# Altium PCB RTM_SFP.PcbDoc (part 7 of 7)
Units mm, origin at the board's own origin, x right, y up, seen from the top; angles counter-clockwise.
Board outline 182.5 x 148.5 mm, 4 copper layers (Top Layer, MidPlane_1, MidPlane_2, Bottom Layer), stack 0.883 mm thick; 377 components, 317 nets, 1528 pads, 1541 vias.
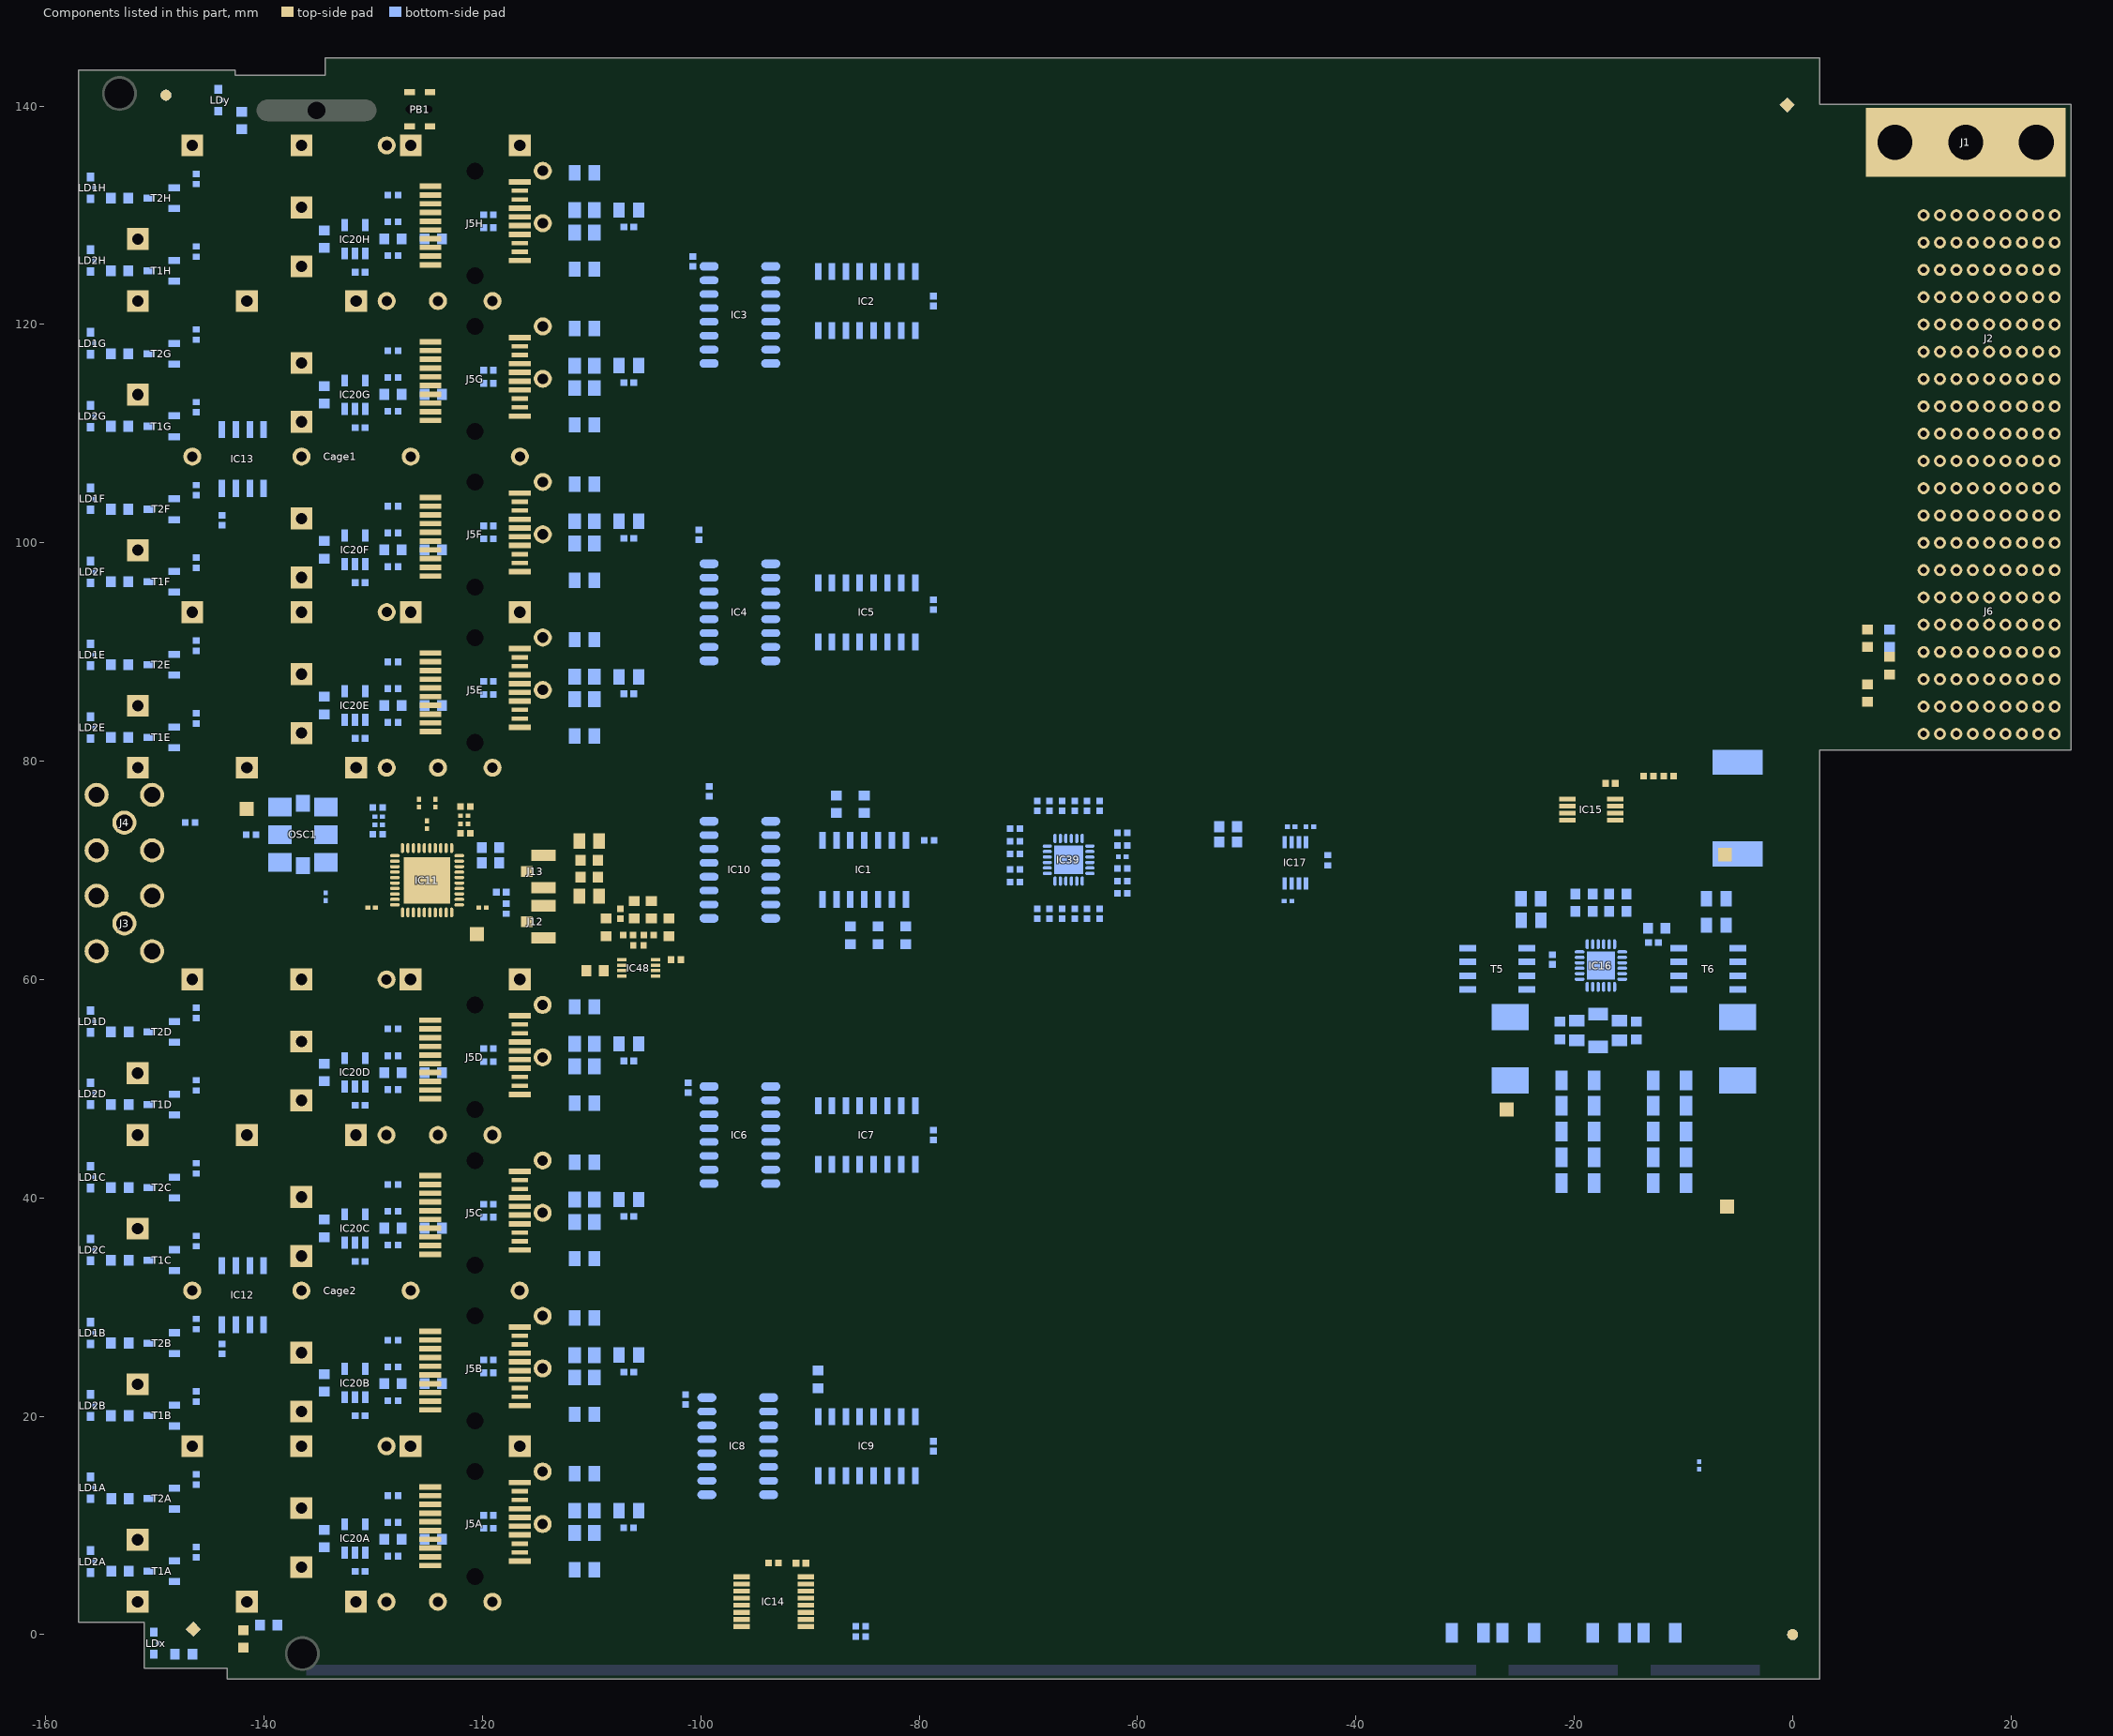
[diagram p9: the components of this part, seen from the top]

## Silkscreen, mask and mechanical layers (free items; w line width, h text height)
Top Overlay:
  drawing of 3981 lines, arcs and shapes, not listed
  text "3V3C" at -145.9,75.2 h1.52
  text "CLK OUT P" at -115.98,73.96 h1
  text "12V" at -9.694,71 h1.52
  text "2V5C" at -124.8,63.7 h1.52
  text "CLK OUT N" at -119.33,61.42 h1
  text "FR4 - TG150 - ENIG" at 1.525,60.175 h1 r90
  text "2V5" at -24.7,47.652 h1.52
  text "ID CODE" at -18.255,42.925 h3 r270
  text "http://ohwr.org/cernohl" at -31.26,42.78 h1.52 r90
  text "3V3" at -4.5,38.8 h1.52
  text "v1.2" at -23.45,24.97 h1.52 r90
  text "RTM SFP 8" at -25.95,19.853 h1.52 r90
  text "sirius" at -11.305,10.93 h2.2 r90
  text "http://www.ohwr.org/projects/utca-rtm-8-sfp" at -35.04,6.53 h1.52 r90
  text "Licensed under CERN OHL" at -31.07,5.99 h1.52 r90
  text "Laboratorio Nacional" at -10.254,5.627 h1 r90
  text "de Luz Sincrotron" at -9.604,5.627 h1 r90
  text "Beam Diagnostics Group" at -6.05,1 h2 r90
Top Paste:
  region: -126.749,71.25 -126.751,70.84 -127.25,70.84 -127.25,70.475 -126.751,70.475 -126.751,69.84 -127.25,69.84 -127.25,69.55 -126.75,69.55 -126.748,68.9 -127.25,68.9 -127.25,68.525 -126.75,68.525 -126.75,67.85 -127.25,67.85 -127.25,67.375 -126.75,67.375 -126.75,66.925 -126.3,66.925 -126.3,71.25
  region: -123.7,71.25 -123.275,71.25 -123.275,66.925 -123.7,66.925
  region: -122.924,67.375 -123.3,67.375 -123.3,67.85 -122.924,67.85
  region: -122.924,68.525 -123.3,68.525 -123.3,68.9 -122.925,68.9
  region: -122.924,69.55 -122.924,69.875 -123.3,69.875 -123.3,69.55
  region: -122.924,70.475 -123.3,70.475 -123.3,70.825 -122.924,70.825
  region: -125.725,71.25 -125.725,70.475 -125.3,70.475 -125.3,71.25
  region: -124.7,71.25 -124.3,71.25 -124.3,66.925 -124.7,66.925
  region: -125.725,71.25 -125.3,71.25 -125.3,66.925 -125.725,66.925
  region: -124.7,67.9 -124.3,67.9 -124.3,66.925 -124.7,66.925
Bottom Paste:
  region: -67.1,71.788 -67.1,70.16 -65.5,70.16 -65.5,71.788
Top Solder:
  region: -137.072,84.825 -137.074,84.415 -137.525,84.415 -137.525,84 -137.075,84 -137.075,83.495 -137.525,83.495 -137.525,83.05 -137.074,83.05 -137.073,82.55 -137.525,82.55 -137.525,82.025 -137.075,82.025 -137.075,81.5 -137.525,81.5 -137.525,80.9 -137.1,80.9 -137.1,80.5 -136.525,80.5 -136.525,84.825
Outline:
  the board outline again, w0.127
Dimensions:
  drawing of 2814 lines, arcs and shapes, not listed
Mechanical 3:
  circle w0.127: c-126.012,140.691 r0.254
  lines w0.25: -154.256,-21.818 -8.574,-21.818 ; -154.256,-16.853 -8.574,-16.853 ; -155.78,-54.07 ccw(c-154.18,-54.07) -154.18,-55.67 -8.65,-55.67 ccw(c-8.65,-54.07) -7.05,-54.07 -7.05,-12.3 ccw(c-8.65,-12.3) -8.65,-10.7 -154.18,-10.7 ccw(c-154.18,-12.3) -155.78,-12.3 -155.78,-54.07
  text "Layer Stack Up Detail for: RTM_SFP.PcbDoc" at -154.256,-15.531 h2.35
  text "Layer" at -154.256,-18.703 h1.15
  text "Gerber" at -123.084,-18.703 h1.15
  text "Copper" at -107.241,-18.703 h1.15
  text "Dielectric" at -89.52,-18.703 h1.15
  text "Dielectric" at -70.995,-18.703 h1.15
  text "Dielectric" at -47.821,-18.703 h1.15
  text "Dielectric" at -29.295,-18.703 h1.15
  text "Name" at -154.256,-21.003 h1.15
  text "Document" at -123.084,-21.003 h1.15
  text "Thickness" at -107.241,-21.003 h1.15
  text "Height" at -89.52,-21.003 h1.15
  text "Material" at -70.995,-21.003 h1.15
  text "Constant" at -47.821,-21.003 h1.15
  text "Type" at -29.295,-21.003 h1.15
  text "Top Solder Mask" at -154.256,-24.33 h1.6
  text "(.GTS)" at -123.084,-24.33 h1.6
  text "0.0102mm" at -89.52,-24.33 h1.6
  text "Solder Resist" at -70.995,-24.33 h1.6
  text "3.50" at -47.821,-24.33 h1.6
  text "Top Layer" at -154.256,-29.104 h1.6
  text "(.GTL)" at -123.084,-29.104 h1.6
  text "0.0356mm" at -107.241,-29.104 h1.6
  text "0.381mm" at -89.52,-31.492 h1.6
  text "FR-4" at -70.995,-31.492 h1.6
  text "4.80" at -47.821,-31.492 h1.6
  text "PrePreg" at -29.295,-31.492 h1.6
  text "PWR" at -154.256,-33.879 h1.6
  text "(.GP1)" at -123.084,-33.879 h1.6
  text "0.0356mm" at -107.241,-33.879 h1.6
  text "0.71mm" at -89.52,-36.266 h1.6
  text "FR-4" at -70.995,-36.266 h1.6
  text "4.80" at -47.821,-36.266 h1.6
  text "Core" at -29.295,-36.266 h1.6
  text "GND" at -154.256,-38.654 h1.6
  text "(.GP2)" at -123.084,-38.654 h1.6
  text "0.0356mm" at -107.241,-38.654 h1.6
  text "0.381mm" at -89.52,-41.041 h1.6
  text "FR-4" at -70.995,-41.041 h1.6
  text "4.80" at -47.821,-41.041 h1.6
  text "PrePreg" at -29.295,-41.041 h1.6
  text "Bottom Layer" at -154.256,-43.428 h1.6
  text "(.GBL)" at -123.084,-43.428 h1.6
  text "0.0356mm" at -107.241,-43.428 h1.6
  text "Bottom Solder Mask" at -154.256,-48.203 h1.6
  text "(.GBS)" at -123.084,-48.203 h1.6
  text "0.0102mm" at -89.52,-48.203 h1.6
  text "Solder Resist" at -70.995,-48.203 h1.6
  text "3.50" at -47.821,-48.203 h1.6

## Text inside footprints (layer, text, board x,y; h text height)
Cage1: Drill Drawing "PRESS-FIT TECHNOLOGY" at -138.934,87 h1 r90; Drill Drawing "26x diam. 1.05mm +/-0.05" at -143.359,84.2 h1 r90; Drill Drawing "20x diam. 0.95mm +/-0.05" at -141.279,84.3 h1 r90
Cage2: Drill Drawing "PRESS-FIT TECHNOLOGY" at -138.944,10.606 h1 r90; Drill Drawing "26x diam. 1.05mm +/-0.05" at -143.369,7.806 h1 r90; Drill Drawing "20x diam. 0.95mm +/-0.05" at -141.289,7.906 h1 r90
J1: Mechanical 8 "PCB Edge" at 27,133.261 h1 r90
J2: Drill Drawing "PRESS-FIT TECHNOLOGY" at 10.8,111.1 h1 r90; Drill Drawing "diam. 0.6mm +0.06 -0" at 27.05,110.65 h1 r90; Mechanical 8 "PCB Edge" at 26.865,115.7 h1 r90; Top Overlay "A1" at 26.95,107.5 h1.1 r90; Top Overlay "A10" at 26.95,128 h1.1 r90; Mechanical 14 "A1" at 26.95,107.5 h1.1 r90; Mechanical 14 "A10" at 26.95,128 h1.1 r90
J6: Drill Drawing "PRESS-FIT TECHNOLOGY" at 10.8,86.1 h1 r90; Drill Drawing "diam. 0.6mm +0.06 -0" at 27.05,85.65 h1 r90; Mechanical 8 "PCB Edge" at 26.865,90.7 h1 r90; Top Overlay "A1" at 26.95,82.5 h1.1 r90; Top Overlay "A10" at 26.95,103 h1.1 r90; Mechanical 14 "A1" at 26.95,82.5 h1.1 r90; Mechanical 14 "A10" at 26.95,103 h1.1 r90